# KiCad board WiRoc_NanoPi.kicad_pcb (continued)
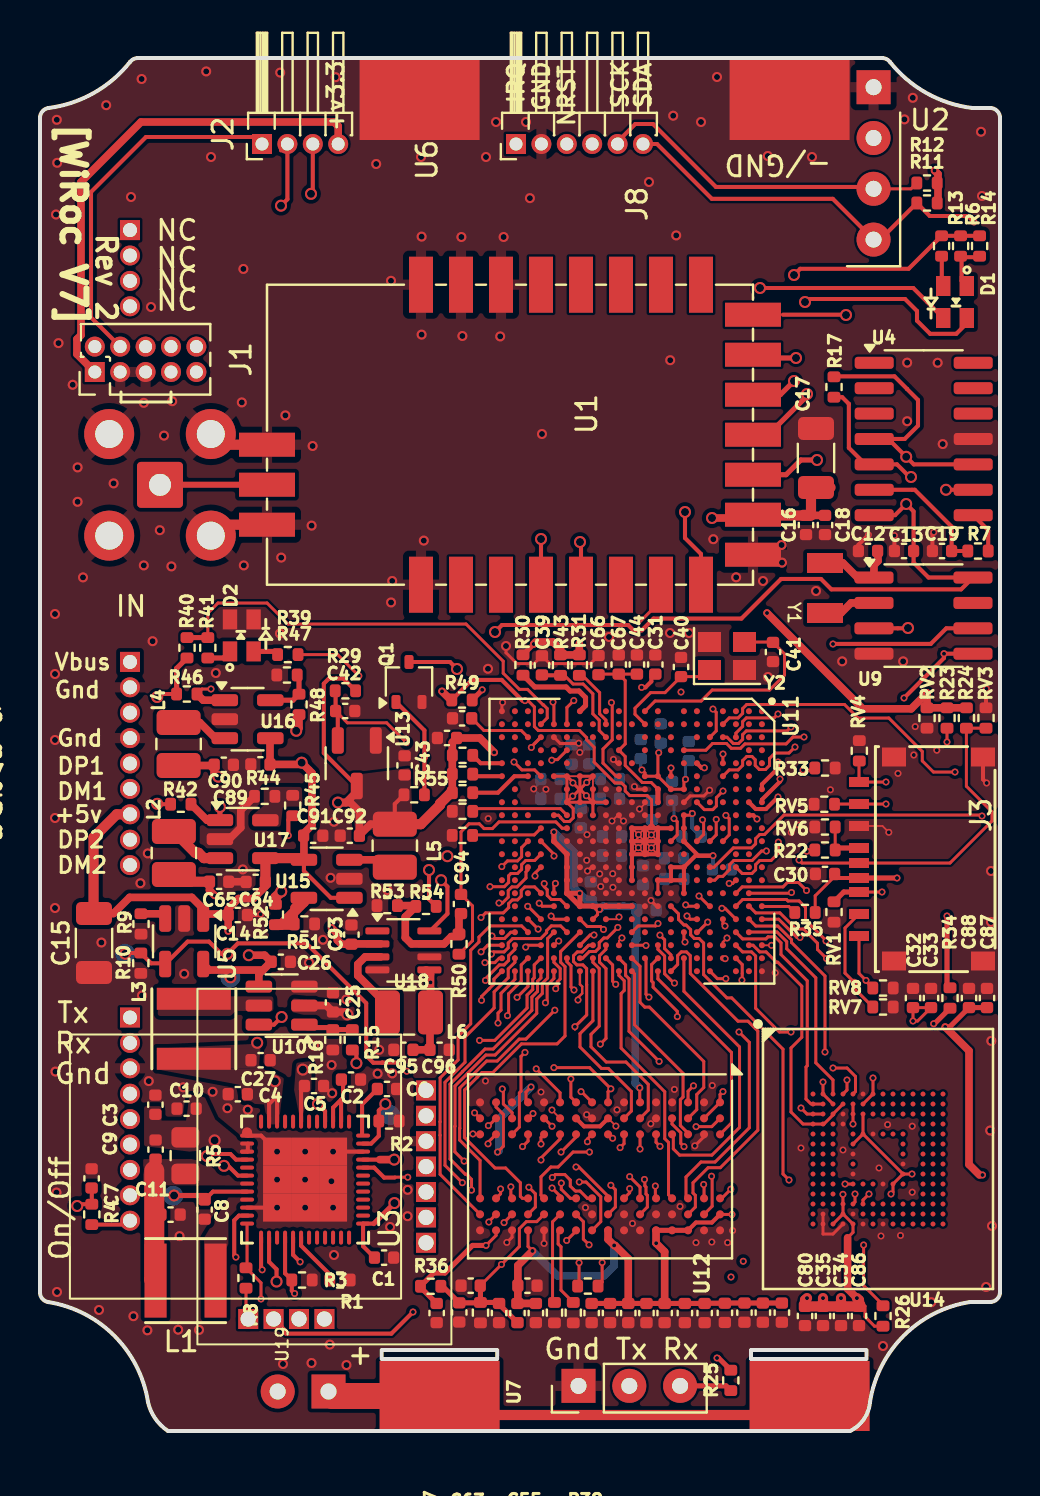
[diagram p0: board, top side]
## Footprints (pads in the part's own frame, mm; a bottom-side part is the same pattern mirrored in y, then rotated) (continued)
C_0402_1005Metric
  rrect 0.56x0.62 smd: 1(-0.48,0) 2(0.48,0)
C_1206_3216Metric
  rrect 1.15x1.8 smd: 1(-1.475,0) 2(1.475,0)
CONN_OLED_TWI-Socket_Strip_Straight_1x04_Pitch2.54mm
  rect 1.7x1.7 hole 0.8: 1(0,0)
  oval 1.7x1.7 hole 0.8: 2(0,-2.54) 3(0,-5.08) 4(0,-7.62)
Crystal_SMD_2520-4Pin_2.5x2.0mm
  rect 1.15x1 smd: 1(-0.875,-0.7) 2(0.875,-0.7) 3(0.875,0.7) 4(-0.875,0.7)
DRF1268DS
  rect 2.8x1.2 smd: 1(-7.5,4.45) 2(-7.5,2.45) 3(-7.5,0.45) 4(-7.5,-1.55) 5(-7.5,-3.55) 6(-7.5,-5.55) 7(-7.5,-7.55) 8(-7.5,-9.55) 16(7.5,-9.55) 17(7.5,-7.55) 18(7.5,-5.55) 19(7.5,-3.55) 20(7.5,-1.55) 21(7.5,0.45) 22(7.5,2.45) 23(7.5,4.45)
  rect 1.2x2.8 smd: 9(-6,-12.15) 10(-4,-12.15) 11(-2,-12.15) 12(0,-12.15) 13(2,-12.15) 14(4,-12.15) 15(6,-12.15) 24(-0.5,12.15) 25(-2.5,12.15) 26(-4.5,12.15)
ESP32Hosted-C6-Board
  rect 1x1 hole 0.762: 1(-7.62,-0.635) 2(-7.62,-1.905) 3(-7.62,-3.175) 4(-7.62,-4.445) 5(-3.81,-9.525) 6(-2.54,-9.525) 7(-1.27,-9.525) 8(0,-9.525) 9(1.27,-9.525) 10(2.54,-9.525) 11(3.81,-9.525)
Inductor_SLW4018
  rect 1.1x3.7 smd: 1(-1.5,0) 2(1.5,0)
L_1008_2520Metric
  rrect 1.25x2.2 smd: 1(-1.075,0) 2(1.075,0)
LED_Dual_1.7_1.6
  rect 1x0.72 smd: 1(0.8,-0.59) 2(-0.8,-0.59) 3(-0.8,0.59) 4(0.8,0.59)
MICRON_EMMC_153
  round 0.245 smd: A1(-3.25,3.25) A2(-2.75,3.25) A3(-2.25,3.25) A4(-1.75,3.25) A5(-1.25,3.25) A6(-0.75,3.25) A7(-0.25,3.25) A8(0.25,3.25) A9(0.75,3.25) A10(1.25,3.25) A11(1.75,3.25) A12(2.25,3.25) A13(2.75,3.25) A14(3.25,3.25) B1(-3.25,2.75) B2(-2.75,2.75) B3(-2.25,2.75) B4(-1.75,2.75) B5(-1.25,2.75) B6(-0.75,2.75) B7(-0.25,2.75) B8(0.25,2.75) B9(0.75,2.75) B10(1.25,2.75) B11(1.75,2.75) B12(2.25,2.75) B13(2.75,2.75) B14(3.25,2.75) C1(-3.25,2.25) C2(-2.75,2.25) C3(-2.25,2.25) C4(-1.75,2.25) C5(-1.25,2.25) C6(-0.75,2.25) C7(-0.25,2.25) C8(0.25,2.25) C9(0.75,2.25) C10(1.25,2.25) C11(1.75,2.25) C12(2.25,2.25) C13(2.75,2.25) C14(3.25,2.25) D1(-3.25,1.75) D2(-2.75,1.75) D3(-2.25,1.75) D4(-1.75,1.75) D12(2.25,1.75) D13(2.75,1.75) D14(3.25,1.75) E1(-3.25,1.25) E2(-2.75,1.25) E3(-2.25,1.25) E5(-1.25,1.25) E6(-0.75,1.25) E7(-0.25,1.25) E8(0.25,1.25) E9(0.75,1.25) E10(1.25,1.25) E12(2.25,1.25) E13(2.75,1.25) E14(3.25,1.25) F1(-3.25,0.75) F2(-2.75,0.75) F3(-2.25,0.75) F5(-1.25,0.75) F10(1.25,0.75) F12(2.25,0.75) F13(2.75,0.75) F14(3.25,0.75) G1(-3.25,0.25) G2(-2.75,0.25) G3(-2.25,0.25) G5(-1.25,0.25) G10(1.25,0.25) G12(2.25,0.25) G13(2.75,0.25) G14(3.25,0.25) H1(-3.25,-0.25) H2(-2.75,-0.25) H3(-2.25,-0.25) H5(-1.25,-0.25) H10(1.25,-0.25) H12(2.25,-0.25) H13(2.75,-0.25) H14(3.25,-0.25) J1(-3.25,-0.75) J2(-2.75,-0.75) J3(-2.25,-0.75) J5(-1.25,-0.75) J10(1.25,-0.75) J12(2.25,-0.75) J13(2.75,-0.75) J14(3.25,-0.75) K1(-3.25,-1.25) K2(-2.75,-1.25) K3(-2.25,-1.25) K5(-1.25,-1.25) K6(-0.75,-1.25) K7(-0.25,-1.25) K8(0.25,-1.25) K9(0.75,-1.25) K10(1.25,-1.25) K12(2.25,-1.25) K13(2.75,-1.25) K14(3.25,-1.25) L1(-3.25,-1.75) L2(-2.75,-1.75) L3(-2.25,-1.75) L12(2.25,-1.75) L13(2.75,-1.75) L14(3.25,-1.75) M1(-3.25,-2.25) M2(-2.75,-2.25) M3(-2.25,-2.25) M4(-1.75,-2.25) M5(-1.25,-2.25) M6(-0.75,-2.25) M7(-0.25,-2.25) M8(0.25,-2.25) M9(0.75,-2.25) M10(1.25,-2.25) M11(1.75,-2.25) M12(2.25,-2.25) M13(2.75,-2.25) M14(3.25,-2.25) N1(-3.25,-2.75) N2(-2.75,-2.75) N3(-2.25,-2.75) N4(-1.75,-2.75) N5(-1.25,-2.75) N6(-0.75,-2.75) N7(-0.25,-2.75) N8(0.25,-2.75) N9(0.75,-2.75) N10(1.25,-2.75) N11(1.75,-2.75) N12(2.25,-2.75) N13(2.75,-2.75) N14(3.25,-2.75) P1(-3.25,-3.25) P2(-2.75,-3.25) P3(-2.25,-3.25) P4(-1.75,-3.25) P5(-1.25,-3.25) P6(-0.75,-3.25) P7(-0.25,-3.25) P8(0.25,-3.25) P9(0.75,-3.25) P10(1.25,-3.25) P11(1.75,-3.25) P12(2.25,-3.25) P13(2.75,-3.25) P14(3.25,-3.25)
Pin_Header_Straight_1x02_Pitch2.54mm
  rect 1.7x1.7 hole 0.8: 1(0,0)
  oval 1.7x1.7 hole 0.8: 2(0,-2.54)
Pin_Header_Straight_1x03_Pitch2.54mm
  rect 1.7x1.7 hole 0.8: 1(0,0)
  oval 1.7x1.7 hole 0.8: 2(0,-2.54) 3(0,-5.08)
PinHeader_1x04_P1.27mm_Horizontal
  rect 1x1 hole 0.65: 1(0,0)
  oval 1x1 hole 0.65: 2(0,-1.27) 3(0,-2.54) 4(0,-3.81)
PinHeader_1x06_P1.27mm_Horizontal
  rect 1x1 hole 0.65: 1(0,0)
  oval 1x1 hole 0.65: 2(0,-1.27) 3(0,-2.54) 4(0,-3.81) 5(0,-5.08) 6(0,-6.35)
PinHeader_2x05_P1.27mm_Vertical
  rect 1x1 hole 0.65: 1(0,0)
  oval 1x1 hole 0.65: 2(1.27,0) 3(0,-1.27) 4(1.27,-1.27) 5(0,-2.54) 6(1.27,-2.54) 7(0,-3.81) 8(1.27,-3.81) 9(0,-5.08) 10(1.27,-5.08)
PinSocket_1x04_P1.27mm_Vertical
  rect 1x1 hole 0.7: 1(0,0)
  oval 1x1 hole 0.7: 2(0,-1.27) 3(0,-2.54) 4(0,-3.81)
PinSocket_1x09_P1.27mm_Vertical
  rect 1x1 hole 0.7: 1(0,0)
  oval 1x1 hole 0.7: 2(0,-1.27) 3(0,-2.54) 4(0,-3.81) 5(0,-5.08) 6(0,-6.35) 7(0,-7.62) 8(0,-8.89) 9(0,-10.16)
qfn48_6x6mm_Pitch0.4mm
  oval 0.7x0.2 smd: 1(-2.9,2.2) 2(-2.9,1.8) 3(-2.9,1.4) 4(-2.9,1) 5(-2.9,0.6) 6(-2.9,0.2) 7(-2.9,-0.2) 8(-2.9,-0.6) 9(-2.9,-1) 10(-2.9,-1.4) 11(-2.9,-1.8) 12(-2.9,-2.2) 25(2.9,-2.2) 26(2.9,-1.8) 27(2.9,-1.4) 28(2.9,-1) 29(2.9,-0.6) 30(2.9,-0.2) 31(2.9,0.2) 32(2.9,0.6) 33(2.9,1) 34(2.9,1.4) 35(2.9,1.8) 36(2.9,2.2)
  oval 0.2x0.7 smd: 13(-2.2,-2.9) 14(-1.8,-2.9) 15(-1.4,-2.9) 16(-1,-2.9) 17(-0.6,-2.9) 18(-0.2,-2.9) 19(0.2,-2.9) 20(0.6,-2.9) 21(1,-2.9) 22(1.4,-2.9) 23(1.8,-2.9) 24(2.2,-2.9) 37(2.2,2.9) 38(1.8,2.9) 39(1.4,2.9) 40(1,2.9) 41(0.6,2.9) 42(0.2,2.9) 43(-0.2,2.9) 44(-0.6,2.9) 45(-1,2.9) 46(-1.4,2.9) 47(-1.8,2.9) 48(-2.2,2.9)
  rect 1.4x1.4 smd: 49(-1.4,1.4) 49(-1.4,0) 49(-1.4,-1.4) 49(0,1.4) 49(0,0) 49(0,-1.4) 49(1.4,1.4) 49(1.4,0) 49(1.4,-1.4)
R_0402_1005Metric
  rrect 0.54x0.64 smd: 1(-0.51,0) 2(0.51,0)
R_0805_2012Metric
  rrect 1.025x1.4 smd: 1(-0.912,0) 2(0.912,0)
SMA_Amphenol_901-143_Horizontal
  rrect 2.3x2.3 hole 1.1: 1(0,0)
  round 2.5 hole 1.4: 2(-2.54,-2.54) 2(-2.54,2.54) 2(2.54,-2.54) 2(2.54,2.54)
SMD3215-2P
  rect 1x1.8 smd: 1(-1.25,0) 2(1.25,0)
SOIC-8_3.9x4.9mm_P1.27mm
  rrect 1.95x0.6 smd: 1(-2.475,1.905) 2(-2.475,0.635) 3(-2.475,-0.635) 4(-2.475,-1.905) 5(2.475,-1.905) 6(2.475,-0.635) 7(2.475,0.635) 8(2.475,1.905)
SOIC-14_3.9x8.7mm_P1.27mm
  rrect 1.95x0.6 smd: 1(-2.475,3.81) 2(-2.475,2.54) 3(-2.475,1.27) 4(-2.475,0) 5(-2.475,-1.27) 6(-2.475,-2.54) 7(-2.475,-3.81) 8(2.475,-3.81) 9(2.475,-2.54) 10(2.475,-1.27) 11(2.475,0) 12(2.475,1.27) 13(2.475,2.54) 14(2.475,3.81)
SOT-23-3
  rrect 1.325x0.6 smd: 1(-1.137,0.95) 2(-1.137,-0.95) 3(1.137,0)
SOT-23-5
  rrect 1.325x0.6 smd: 1(-1.137,0.95) 2(-1.137,0) 3(-1.137,-0.95) 4(1.137,-0.95) 5(1.137,0.95)
SOT-323_SC-70
  rrect 0.7x0.45 smd: 1(-1,0.65) 2(-1,-0.65) 3(1,0)
TestPoint_Pad_D1.0mm
  round 1 smd: 1(0,0)
TF-SMD_TF-018B-H15
  rect 0.5x1 smd: 1(3.85,-3.1) 2(2.75,-3.1) 3(1.65,-3.1) 4(0.95,-3.1) 5(-0.55,-3.1) 6(-1.65,-3.1) 7(-2.75,-3.1) 8(-3.85,-3.1) 9(0.2,-3.1)
  rect 0.95x1.2 smd: 10(-5.1,3.1) 10(-5.1,-1.35) 10(5.1,3.1) 10(5.1,-1.35)
TSOT-23-5
  rrect 1.325x0.6 smd: 1(-1.137,0.95) 2(-1.137,0) 3(-1.137,-0.95) 4(1.137,-0.95) 5(1.137,0.95)
TSOT-23-6
  rrect 1.325x0.6 smd: 1(-1.137,0.95) 2(-1.137,0) 3(-1.137,-0.95) 4(1.137,-0.95) 5(1.137,0) 6(1.137,0.95)
TSOT-23-8-Thinner-Pads
  rrect 1.2x0.35 smd: 1(-1.3,0.975) 2(-1.3,0.325) 3(-1.3,-0.325) 4(-1.3,-0.975) 5(1.3,-0.975) 6(1.3,-0.325) 7(1.3,0.325) 8(1.3,0.975)

## Nets
GND: C1.2 C2.2 C3.2 C4.2 C5.2 C6.2 C7.1 C8.1 C10.1 C11.1 C12.2 C13.2 C14.2 C15.1 C16.2 C17.1 C18.2 C19.2 C25.2 C26.2 C27.2 C28.2 C29.2 C30.1 C31.2 C32.2 C33.2 C34.2 C35.2 C36.1 C37.2 C38.2 C39.1 C40.1 C41.1 C42.2 C43.2 C44.2 C45.2 C46.2 C47.2 C48.2 C49.2 C50.2 C51.2 C52.2 C53.2 C54.2 C55.2 C56.2 C57.2 C58.2 C59.2 C60.2 C61.2 C63.2 C64.2 C65.2 C66.2 C67.2 C68.2 C69.2 C70.2 C71.2 C72.2 C73.2 C74.2 C75.2 C76.2 C77.2 C78.2 C79.2 C80.2 C81.2 C82.2 C83.2 C84.2 C85.2 C86.2 C87.2 C88.2 C89.2 C90.2 C91.2 C92.2 C93.2 C95.2 C96.2 D2.2 D2.3 J1.3 J1.5 J3.6 J3.10 J4.3 J4.8 J6.1 J8.2 J9.2 J10.2 J10.4 Q1.2 R1.1 R2.1 R3.1 R9.1 R10.1 R16.2 R18.2 R19.2 R20.1 R21.1 R33.2 R37.2 R44.2 R47.2 R51.2 R53.1 RV1.2 RV2.2 RV3.2 RV4.2 RV5.2 RV6.2 RV7.2 RV8.2 U1.1 U1.9 U1.21 U1.22 U1.23 U1.24 U1.26 U2.1 U3.22 U3.37 U3.46 U3.49 U4.11 U5.2 U6.1 U9.4 U10.3 U11.A21 U11.AA1 U11.G8 U11.H8 U11.H12 U11.H15 U11.J9 U11.J13 U11.J16 U11.K7 U11.K8 U11.K9 U11.K13 U11.K14 U11.K15 U11.K16 U11.L8 U11.L9 U11.L15 U11.M5 U11.M7 U11.M8 U11.M9 U11.M10 U11.M11 U11.M12 U11.M13 U11.M14 U11.M15 U11.N7 U11.N9 U11.N10 U11.N11 U11.N12 U11.N13 U11.N14 U11.N15 U11.P10 U11.P11 U11.P12 U11.P13 U11.P14 U11.P15 U11.R9 U11.R10 U11.R11 U11.R12 U11.R13 U11.R14 U11.T11 U11.U3 U12.A9 U12.B1 U12.B3 U12.B9 U12.D1 U12.D8 U12.E1 U12.E2 U12.E8 U12.F9 U12.G1 U12.G8 U12.G9 U12.J2 U12.J8 U12.M1 U12.M9 U12.P1 U12.P9 U12.T1 U12.T9 U13.1 U14.A6 U14.C4 U14.D4 U14.E7 U14.G5 U14.H10 U14.J5 U14.K8 U14.N2 U14.N5 U14.P2 U14.P4 U14.P6 U14.P8 U15.2 U16.2 U17.2 U18.4 U18.6 U19.9 Y2.2 Y2.4
VBUS: C5.1 J10.1 U3.31
VCC-DRAM: C46.1 C47.1 C48.1 C49.1 C50.1 C51.1 C52.1 C53.1 C54.1 C55.1 C56.1 C57.1 C58.1 C59.1 C60.1 C61.1 C62.1 C65.1 L2.2 R36.1 R45.2 U11.L16 U11.M16 U11.N16 U11.P16 U11.P17 U11.R16 U11.T12 U11.T13 U11.T14 U11.T15 U11.U11 U12.A1 U12.A8 U12.B2 U12.C1 U12.C9 U12.D2 U12.D9 U12.E9 U12.F1 U12.G7 U12.H2 U12.H9 U12.K2 U12.K8 U12.N1 U12.N9 U12.R1 U12.R9
VDD1V1-EPHY: R49.2 U11.F8
VDD1V2-SYS: C79.1 C81.1 C82.1 C83.1 C84.1 C85.1 C90.1 L4.2 R48.2 R49.1 U11.H10 U11.J10 U11.J11 U11.J12 U11.K10 U11.K11 U11.K12 U11.L10 U11.L11 U11.L12 U11.L13 U11.L14
VDD-CPUFB: C94.1 R50.2 U11.T10
VDD-CPUS: C44.1 C66.1 C67.1 U11.J7 U11.J8 U11.M4
VDD-CPUX: C72.1 C73.1 C74.1 C75.1 C76.1 C77.1 C78.1 C95.1 C96.1 L6.2 U11.N8 U11.P6 U11.P7 U11.P8 U11.P9 U11.R6 U11.R7 U11.R8 U11.T6 U11.T7 U11.T8 U11.U6 U11.U9 U18.5
VDD_5V: C14.1 C15.2 C16.1 C17.2 C18.1 C64.1 C89.1 C91.1 C93.1 J10.7 U1.10 U5.1 U15.4 U16.4 U17.1 U17.4 U18.2
VDD_SYS_3.3V: C30.2 C31.1 C34.1 C35.1 C37.1 C43.1 C45.1 C68.1 C69.1 C70.1 C71.1 C80.1 C86.1 C87.1 C88.1 C92.1 J1.1 J2.4 J3.4 J4.7 L5.2 R8.1 R11.2 R12.2 R23.2 R24.2 R26.1 R27.1 R28.1 R29.1 R30.2 R31.2 R32.2 R35.2 R40.1 R42.1 R43.2 R46.1 R52.2 R55.2 RV2.1 U2.2 U11.G7 U11.G9 U11.G10 U11.G11 U11.G13 U11.G14 U11.G15 U11.H7 U11.H13 U11.H14 U11.J6 U11.J14 U11.J15 U11.K6 U11.V3 U13.3 U14.C6 U14.E6 U14.F5 U14.J10 U14.K9 U14.M4 U14.N4 U14.P3 U14.P5 U19.1
VINT: C2.1 U3.26 U3.27
 GPIOA10/STATUS-LED: R39.2 U11.E11
/Processor-MEM/SA0: U11.T17 U12.N3
/Processor-MEM/SA1: U11.U18 U12.P7
/Processor-MEM/SA2: U11.V19 U12.P3
/Processor-MEM/SA3: U11.V20 U12.N2
/Processor-MEM/SA4: U11.V21 U12.P8
/Processor-MEM/SA5: U11.Y19 U12.P2
/Processor-MEM/SA6: U11.Y20 U12.R8
/Processor-MEM/SA7: U11.V15 U12.R2
/Processor-MEM/SA8: U11.W18 U12.T8
/Processor-MEM/SA9: U11.Y18 U12.R3
/Processor-MEM/SA10: U11.P19 U12.L7
/Processor-MEM/SA11: U11.N19 U12.R7
/Processor-MEM/SA12: U11.R18 U12.N7
/Processor-MEM/SA13: U11.V12 U12.T3
/Processor-MEM/SA14: U11.N17 U12.T7
/Processor-MEM/SA15: U11.R17 U12.M7
/Processor-MEM/SBA0: U11.W17 U12.M2
/Processor-MEM/SBA1: U11.T18 U12.N8
/Processor-MEM/SBA2: U11.V17 U12.M3
/Processor-MEM/SCAS: U11.U15 U12.K3
/Processor-MEM/SCKE0: U11.AA21 U12.K9
/Processor-MEM/SCS0: U11.W20 U12.L2
/Processor-MEM/SODT0: U11.W11 U12.K1
/Processor-MEM/SRAS: U11.V13 U12.J3
/Processor-MEM/SWE: U11.W13 U12.L3
/Processor-MEM/ZQ: R20.2 U12.L8
/Processor-MEM/ZQ1: R21.2 U12.L9
AP-RESET: C42.1 R29.2 U11.V6 U13.2
BAT: C3.1 C9.1 C10.2 R5.2 SW1.2 U3.38 U3.39 U3.42
eMMC-CLK: R34.2 U14.M6
eMMC-CMD: R26.2 U11.E16 U14.M5
eMMC-D0: U11.B18 U14.A3
eMMC-D1: U11.C17 U14.A4
eMMC-D2: U11.D17 U14.A5
eMMC-D3: U11.C18 U14.B1 U14.B2
eMMC-D4: U11.B17 U14.A2 U14.B3
eMMC-D5: U11.B19 U14.B4 U14.C3 U14.D1 U14.D2
eMMC-D6: U11.F17 U14.B5 U14.C5
eMMC-D7: U11.C19 U14.A7 U14.B6
eMMC-RST: U11.H16 U14.K5
EXTEN: R10.2 TP4.1 U3.20 U5.4 U10.6
GPIOL6/CPUX-VSET: Q1.1 R55.1 U11.T4
GPIOL8/PWR-STB: R46.2 U11.T2 U16.1 U18.8
GPIOL9/PWR-DRAM: R42.2 U11.M6 U15.1
GPIOL10/PWR-LED: R40.2 R41.2 U11.V2
IPSOUT: C1.1 C4.1 C8.2 C25.1 C27.1 L3.1 TP6.1 U3.13 U3.21 U3.34 U3.35 U3.40 U3.44 U10.2
IRQ: R8.2 U3.48 U11.E13
LDO1: C13.1 R17.2 U3.28 U4.4 U4.7 U4.10 U9.8
LORAAUX: U1.14 U11.C3
LORAEN: U1.11 U11.D6
LORAMO: U1.15 U11.C14
LORARS: U1.7 U11.U2
N_OE: R3.2 U3.4 U4.9
PWRON: C7.2 R4.2 U3.5 U3.47
SCK: J8.5 R12.1 U2.3 U3.2 U9.6 U11.F11
SCKE1: U11.Y21 U12.J9
SCKN: R38.2 U11.AA20 U12.K7
SCKP: R38.1 U11.AA19 U12.J7
SCS1: U11.W21 U12.L1
SDA: J8.6 R11.1 U2.4 U3.1 U9.5 U11.C13
SDC0-CLK: R22.1 U11.D20
SDC0-CMD: J3.3 R23.1 RV1.1 U11.F18
SDC0-D0: J3.7 RV5.1 U11.A19
SDC0-D1: J3.8 RV4.1 U11.D19
SDC0-D2: J3.1 RV8.1 U11.C20
SDC0-D3: J3.2 RV7.1 U11.E21
SDC0-DET: J3.9 R24.1 RV3.1 U11.G18
SDQ0: U11.N20 U12.E3
SDQ1: U11.P21 U12.G2
SDQ2: U11.P20 U12.F2
SDQ3: U11.U21 U12.H7
SDQ4: U11.R19 U12.F8
SDQ5: U11.T20 U12.F7
SDQ6: U11.U19 U12.H8
SDQ7: U11.U20 U12.H3
SDQ8: U11.J19 U12.A7
SDQ9: U11.H20 U12.B8
SDQ10: U11.H21 U12.C8
SDQ11: U11.J21 U12.A3
SDQ12: U11.L20 U12.C2
SDQ13: U11.L21 U12.C3
SDQ14: U11.M21 U12.D7
SDQ15: U11.M19 U12.A2
SDQM0: U11.M20 U12.E7
SDQM1: U11.G20 U12.D3
SDQS0N: U11.R21 U12.G3
SDQS0P: U11.R20 U12.F3
SDQS1N: U11.J20 U12.B7
SDQS1P: U11.K20 U12.C7
SODT1: U11.V11 U12.J1
SRR_IRQ: J8.1 U11.E14
SRR_NRST: J1.10 J8.3 U11.E3
SRST: U11.U16 U12.T2
SVREF: C28.1 C29.1 C62.2 C63.1 R36.2 R37.1 U11.T16 U12.H1 U12.M8
ToPWRBTN: J4.9 R4.1
UART0_RX: J6.3 R25.1
UART0_TX: J6.2 U11.F5
UART1_RX: U1.13 U11.D3
UART1_TX: U1.12 U11.G4
UART2_RX: J4.2 U11.D5
UART2_TX: J4.1 U11.D11
USBHost-DM1: J10.6 U11.A8
USBHost-DM2: J10.9 U11.B9
USBHost-DP1: J10.5 U11.A7
USBHost-DP2: J10.8 U11.B8
WIFI-DataReady: U11.L18 U19.3
WIFI-EN: U11.D2 U19.2
WIFI-HandShake: U11.L19 U19.4
WIFI-SPI-CS0: U11.B15 U19.8
WIFI-SPI-MISO: U11.C16 U19.6
WIFI-SPI-MOSI: U11.C15 U19.7
WIFI-SPI-SCLK: U11.B16 U19.5
X24MI: C40.2 U11.K2 Y2.1
X24MO: C41.2 U11.K1 Y2.3
Net-(D1-A1): D1.1 R6.1 R14.1
Net-(D1-A2): D1.4 R13.1
Net-(D1-K1): D1.2 U1.4
Net-(D1-K2): D1.3 U1.5
Net-(D2-A1): D2.1 R41.1
Net-(D2-A2): D2.4 R39.1
Net-(J1-Pin_2): J1.2 J8.4
Net-(J1-Pin_4): J1.4 J2.1
Net-(J1-Pin_7): J1.7 J2.2
Net-(J1-Pin_9): J1.9 J2.3
Net-(J3-CLK): J3.5 R22.2 RV6.1
Net-(J9-In): J9.1 U1.25
Net-(Q1-D): Q1.3 R54.1
Net-(SW1-A): SW1.1 U7.1
Net-(U1-VCC): R6.2 R13.2 R14.2 U1.8
Net-(U3-BIAS): R2.2 TP3.1 U3.23
Net-(U3-CHSENCE): C9.2 C11.2 L1.2 R5.1 U3.43
Net-(U3-LX1): L1.1 U3.45
Net-(U3-N_VBUSEN): R1.2 U3.6
Net-(U3-VREF): C6.1 U3.24
Net-(U4A-C): R17.1 U4.5 U9.3
Net-(U4A-~{Q}): R7.1 U4.8
Net-(U4A-~{R}): C19.1 R7.2 U4.6
Net-(U5-ISET): R9.2 U5.3
Net-(U9-OSCI): C12.1 U9.1 Y1.1
Net-(U9-OSCO): U9.2 Y1.2
Net-(U10-FB): R15.2 R16.1 U10.1
Net-(U10-LX): L3.2 U10.5
Net-(U10-OUT): C26.1 R15.1 TP5.1 U5.5 U10.4
Net-(U11A-SZQ): R18.1 U11.V10
Net-(U11B-PC4/NAND_CE0): R33.1 U11.F16
Net-(U11B-PC5/NAND_RE/SDC2_CLK): R34.1 U11.A17
Net-(U11B-PC7/NAND_RB1): R35.1 U11.A16
Net-(U11D-PA5/UART0_RX/PWM0/PA_EINT5): R25.2 U11.H6
Net-(U11E-PL3/S_UART_RX/S_PL_EINT3): R30.1 U11.R1
Net-(U11E-PL4/S_JTAG_MS/S_PL_EINT4): R31.1 U11.N2
Net-(U11F-MBIAS): C36.2 U11.W3
Net-(U11G-KEYADC): R28.2 U11.AA5
Net-(U11G-NMI): R27.2 U11.AA6
Net-(U11G-UBOOT): R32.1 U11.W6
Net-(U11G-VCC_PLL): C39.2 R43.1 U11.N3
Net-(U11G-VDD_EFUSEBP): C38.1 U11.H11
Net-(U11H-GND_CPUXFB): R19.1 U11.T9
Net-(U14-NC19): C32.1 C33.1 U14.C1 U14.C2
Net-(U15-FB): R44.1 R45.1 U15.5
Net-(U15-LX): L2.1 U15.3
Net-(U16-FB): R47.1 R48.1 U16.5
Net-(U16-LX): L4.1 U16.3
Net-(U17-FB): R51.1 R52.1 U17.5
Net-(U17-LX): L5.1 U17.3
Net-(U18-FB): C94.2 R50.1 R53.2 R54.2 U18.7
Net-(U18-SW): L6.1 U18.3

Pads without a net: J1 6 8; J4 4 5 6; J5 1 2 3 4; J10 3; U1 2 3 6 16 17 18 19 20; U3 3 7 8 9 10 11 12 14 15 16 17 18 19 25 29 30 32 33 36 41; U4 1 2 3 12 13 14; U9 7; U11 A1 A2 A3 A4 A5 A10 A11 A13 A14 A20 AA2 AA3 AA8 AA9 AA11 AA12 AA14 AA15 AA17 AA18 B1 B2 B3 B4 B5 B6 B7 B10 B11 B12 B13 B14 B20 B21 C1 C2 C5 C6 C7 C8 C9 C10 C11 C12 C21 D1 D8 D10 D13 D15 E2 E8 E10 E15 E18 E19 E20 F1 F2 F3 F6 F7 F10 F13 F14 F19 F20 F21 G1 G2 G5 G12 H2 H3 H4 H17 H18 H19 J1 J2 J3 K3 K4 K17 K18 L2 L5 L17 M1 M2 M3 N1 P2 P3 R2 T3 T5 U4 V1 V4 V5 W1 W2 W5 W9 W12 W15 Y1 Y2 Y3 Y4 Y7 Y8 Y9 Y10 Y11 Y12 Y13 Y14 Y15 Y16 Y17; U14 A1 A8 A9 A10 A11 A12 A13 A14 B7 B8 B9 B10 B11 B12 B13 B14 C7 C8 C9 C10 C11 C12 C13 C14 D3 D12 D13 D14 E1 E2 E3 E5 E8 E9 E10 E12 E13 E14 F1 F2 F3 F10 F12 F13 F14 G1 G2 G3 G10 G12 G13 G14 H1 H2 H3 H5 H12 H13 H14 J1 J2 J3 J12 J13 J14 K1 K2 K3 K6 K7 K10 K12 K13 K14 L1 L2 L3 L12 L13 L14 M1 M2 M3 M7 M8 M9 M10 M11 M12 M13 M14 N1 N3 N6 N7 N8 N9 N10 N11 N12 N13 N14 P1 P7 P9 P10 P11 P12 P13 P14; U18 1; U19 10 11

## Via types
v1: diameter 0.4, hole 0.3, Top to Bottom, 9 vias
v2: diameter 0.35, hole 0.2, Top to Bottom, 300 vias
v3: diameter 0.5, hole 0.3, Top to Bottom, 133 vias
v4: diameter 0.6, hole 0.4, Top to Bottom, 52 vias

## Routing (per net, layer and track width the routed paths; a pad name or vN(x,y) marks a point on that pad's centre or on a via; arc(x,y) is an arc through that point)
GND: length 43.2
  Top w0.09: U12.G8 29.2,10.8 ; J3.6 42.12,30.25 v2(42.44,29.93) ; U12.J8 27.66,10.83 ; v2(29.97,31.1) 30.25,31.37 U11.K8 ; U12.D8 31.61,10.83 ; v2(29.17,30.5) 28.95,30.73 U11.M9 28.89,30.79 v2(28.6,30.5)
  Top w0.15: v2(23.13,36.43) 23.1,36.4 U11.AA1 ; v2(25.2,9.38) U12.M9 ; v2(29.72,32.22) 29.85,32.09 U11.K7 ; U11.J16 30.84,26.24 v2(30.55,26.53) ; 34.89,37.72 Y2.2 ; v2(23.34,9.43) 23.6,9.69 U12.P9 ; U11.P13 27.56,28.19 v2(27.38,28) ; U11.G8 32.51,31.75 33.19,31.75 v2(33.48,32.04) ; U14.N2 U14.P2 39.15,9.85 39.65,9.85 U14.P4 ; U12.B3 33.2,14.72 v2(32.74,14.26) ; U11.U3 26.01,34.37 26.92,34.37 v2(26.94,34.39) ; v2(28.67,33.58) 28.86,33.39 U11.M5 ; C66.2 27.52,38.37 25.49,38.37 C39.1 24.7,38.37 23.84,38.37 23.3,38.91 v3(23.3,39.25)
  Top w0.203: U3.22 v1(14.65,13.97) ; U3.46 v1(11.85,11.17) ; v1(11.85,13.97) 11.05,14.77 10.39,14.77 ; J3.10 47.15,32.58 v2(47.33,32.4) ; C12.2 40.92,44.31 v2(41.42,44.81) ; v2(47.32,37.11) 47.3,37.09 RV3.2 ; v2(44.69,44.94) 44.62,44.87 C19.2 ; C14.2 10.99,25.8 v2(11.03,25.84) ; C13.2 v2(42.72,44.77)
  Top w0.381: R44.2 10.04,31.05 10.04,30.17 9.46,29.59 U15.2 ; C64.2 10.3,27.46 9.44,27.46
  Top w0.508: 11.78,49.31 9.07,49.31 J9.2 ; J9.2 9.09,45.31 U1.26 ; 10.35,14.93 10.35,14.92
  Bottom w0.09: v2(26.99,33.93) 27.08,33.93 C73.2 27.02,34.31 v2(26.94,34.39) 26.85,34.3 C74.2 ; v2(25.3,32.08) 25.05,31.83 C76.2 25.05,31.74 v2(24.69,32.1) 25.05,32.46 C77.2
  vias: v1(11.85,12.57) v1(13.26,13.97) v1(13.25,12.57) v1(13.26,11.17) v1(14.57,12.49) v1(14.65,11.17) v2(22.27,17.5) v2(22.41,30.62) v2(25.05,16.95) v2(27.35,29.82) v2(27.34,28.53) v2(27.33,15.82) v2(27.27,11.17) v2(27.99,27.85) v2(28.04,27.22) v2(28.64,27.86) v2(28.65,27.18) v2(28.85,16.06) v2(29.62,10.38) v2(30.54,15.36) v2(31.72,17.08) v2(32,11.23) v2(32.8,9.42) v2(33.61,17.27) v2(33.59,9.45) v2(34.38,9.42) v2(34.63,10.02) v2(36.76,22.91) v2(37.56,29.93) v2(37.95,30.29) v2(38.05,14.15) v2(39.52,32.06) v2(40.15,14.05) v2(41.95,13.15) v2(42.05,9.75) v2(42.38,15.32) v2(42.9,32.88) v2(43.03,9.78) v2(43.61,15.24) v2(43.61,11.94) v2(43.69,33.8) v2(43.76,35.22) v2(44.84,34.04) v3(0.75,40.85) v3(0.75,37.85) v3(0.75,34.55) v3(0.75,30.65) v3(0.75,26.15) v3(0.84,65.56) v3(0.8,60.83) v3(0.77,17.97) v3(0.82,11.93) v3(0.86,63.41) v3(0.92,54.39) v3(0.85,6.95) v3(1.64,52.31) v3(1.88,48.18) v3(1.88,46.46) v3(2.15,42.68) v3(2.95,6.05) v3(3.07,24.42) v3(3.31,66.29) v3(3.68,47.38) v3(4.55,61.7) v3(4.67,5.74) v3(5.02,27.39) v3(5.08,67.6) v3(5.1,21.78) v3(5.19,51.41) v3(5.19,43.28) v3(5.39,28.88) v3(5.44,17.49) v3(5.37,5.03) v3(5.55,56.2) v3(5.63,39.49) v3(5.99,45.04) v3(6.2,49.77) v3(6.61,51.49) v3(6.57,43.23) v3(6.91,5.06) v3(6.98,9.74) v3(7.21,22.86) v3(7.17,17.19) v3(7.95,5.05) v3(8.31,67.98) v3(8.55,63.7) v3(8.63,16.96) v3(8.79,37.9) v3(9.37,16.14) v3(10.09,51.43) v3(10.14,28.08) v3(10.17,58.1) v3(10.19,43.28) v3(10.39,16.06) v3(12.01,67.92) v3(12,39.88) v3(12.06,43.67) v3(12.15,3.35) v3(12.27,50.78) v3(13.45,23.42) v3(13.63,49.25) v3(13.58,45.27) v3(13.58,3.4) v3(13.69,19.27) v3(14.15,24.56) v3(14.53,27.66) v3(14.49,4.32) v3(14.58,18.3) v3(14.61,16.89) v3(14.7,30.46) v3(14.7,8.8) v3(14.78,67.69) v3(15.32,21.58) v3(15.32,3.3) v3(16.81,63.35) v3(16.88,17.87) v3(16.96,19.06) v3(17.37,27.05) v3(17.55,57.51) v3(17.5,10.2) v3(17.61,42.5) v3(17.55,41.43) v3(17.61,17.88) v3(18.38,12.06) v3(18.38,10.74) v3(19.05,63.7) v3(19.08,59.72) v3(19.08,54.82) v3(19.19,44.52) v3(21.07,59.7) v3(21.12,54.75) v3(22.3,63.7) v3(22.4,38.11) v3(22.8,65.45) v3(23.01,54.73) v3(23.18,59.7) v3(24.3,65.45) v3(24.5,61.64) v3(25.1,49.85) v3(28.45,39.7) v3(30.45,62.45) v3(31.51,53.54) v3(31.5,39.9) v3(31.66,65.76) v3(31.81,59.78) v3(32.45,39.9) v3(33.05,65.45) v3(33.67,44.59) v3(33.85,67.7) v3(34.81,42.69) v3(36.15,42.5) v3(36.39,63.75) v3(36.4,37.7) v3(37.08,44.3) v3(37.1,43.42) v3(38.6,63.7) v3(38.8,42) v3(40.11,38.48) v3(42.15,4.25) v3(43.22,65.58) v3(43.16,38.48) v3(43.36,53.42) v3(43.36,50.49) v3(43.64,66.66) v3(44.56,6.44) v3(44.88,53.41) v3(45.14,49.35) v3(47.05,64.96) v3(47.1,61.75) v3(47.3,7.2) v3(47.55,28) v3(47.55,25.45) v3(47.51,15.02) v3(47.57,19.5) v3(47.6,10.25)
VBUS: length 29.2
  Top w0.203: U3.31 13.05,17.34 13.12,17.41
  In2.Cu w0.508: v4(13.14,18.07) 12.54,18.67 9.91,18.67 6.4,22.18 6.4,24.54 2.85,28.09 2.85,37.45 3.85,38.45 J10.1
VCC-DRAM: length 149.3
  Top w0.09: 30,17.14 v2(29.99,17.16) ; 27.58,6.46 C53.1 27.45,6.51 ; v2(28.8,15.24) 28.41,15.63 U12.H2
  Top w0.15: 27.88,25.82 27.88,25.98 v2(27.98,26.08) ; 27.88,25.82 27.88,26.01 U11.P16 27.64,26.25 ; 27.88,25.82 U11.P17 ; v2(22.3,9.28) 22.8,9.78 U12.R9 ; v2(24.55,17.2) 24.3,16.95 24.3,16.54 U12.N1 ; U12.D2 31.6,15.35 32.04,14.91 32.04,14.38 v2(32.2,14.22) ; U12.A8 34.01,10.83 v2(34.6,10.83) ; U12.R1 22.8,16.2 23.17,15.83 23.17,14.24 v2(22.88,13.95) ; U12.K8 27.17,10.47 27.17,9.59 v2(27.45,9.31) ; U12.G7 29.48,11.91 v2(29.48,12.12) ; v2(32.67,17.26) 32.4,16.99 U12.C1 ; U12.F1 29.99,16.45 v2(29.99,17.16) ; v2(34.15,16.97) 34,16.83 U12.A1 U12.B2 ; U11.R16 27.01,26.25 ; 26.98,26.89 v2(26.99,26.88) 27,26.87 ; U12.N9 24.4,9.23 v2(24.62,9) ; 30.81,10.03 U12.E9
  Top w0.203: v2(12.42,29.77) 12.42,30.54 R45.2 ; U12.K2 27.21,15.23 28,15.23 U12.H2 ; U12.A8 33.59,10.42 32.79,10.42 U12.C9 ; C65.1 8.48,27.34
  Top w0.254: v2(22.3,9.28) 21.63,9.28 20.25,7.9 19.68,7.9 R36.1 19.02,7.19 C47.1 ; C53.1 C48.1 C51.1 C58.1 C54.1 C46.1 C49.1 33.24,6.39 C50.1 34.25,6.4 C52.1 C57.1 C56.1 ; U11.T15 U11.R16 27,26.87 ; U11.T15 U11.T14 U11.T13 U11.T12 U11.U11 v2(25.7,29.95) ; U11.T15 26.98,26.89 ; 27.01,26.25 27.64,26.25 ; U11.P16 U11.N16 U11.M16 U11.L16 ; U12.C9 U12.D9 U12.E9
  Top w0.381: C65.1 8.48,27.03 v2(8.73,26.78) ; v2(24.62,9) 23.89,8.27 C55.1 ; C59.1 C62.1 23.89,6.4 23.89,7.47 ; C51.1 29.41,8.62 28.75,9.28 v2(28.71,9.28) 28.4,9.58 U12.H9 ; C54.1 31.23,8.96 v2(30.81,9.39) 30.8,9.39 U12.E9
  Top w0.508: L2.2 7.06,27.46 C65.1
  In2.Cu w0.381: 11.19,26.78 11.64,26.33 19.85,26.33 23.43,29.91 25.66,29.91 v2(25.7,29.95) ; 11.19,26.78 v2(8.73,26.78) ; 11.19,26.78 11.19,28.55 v2(12.42,29.77)
  In4.Cu w0.381: v2(32.67,17.26) 32.67,16.47 33.34,15.8 33.34,14.09 32.96,13.71 32.52,13.71 32.2,14.04 v2(32.2,14.22) ; v2(29.48,12.12) 28.71,11.34 v2(28.71,9.28) ; v2(22.88,13.95) 22.19,13.26 22.19,10.96 21.9,10.67 21.9,9.68 v2(22.3,9.28) 22.69,8.89 24.51,8.89 v2(24.62,9) ; v2(32.2,14.22) 32.2,12.55 33.92,10.83 v2(34.6,10.83) ; v2(32.2,14.22) 32.2,14.95 v2(29.99,17.16) 29.99,17.16 29.4,16.57 29.4,15.8 28.84,15.24 v2(28.8,15.24) ; v2(28.71,9.28) 30.7,9.28 v2(30.81,9.39) 31.7,9.39 33.14,10.83 v2(34.6,10.83) ; v2(28.71,9.28) 28.68,9.31 v2(27.45,9.31) ; v2(34.6,10.83) 34,11.43 34,12.36 34.13,12.48 34.13,16.95 v2(34.15,16.97)
  Bottom w0.381: v2(22.88,13.95) 22.96,14.03 22.96,15.61 v2(24.55,17.2) ; v2(29.99,17.16) 29.76,17.39 29.76,24.5 29.84,24.58 29.84,26.05 C61.1 29.67,26.23 29.18,26.23 29.17,26.24 28.13,26.24 v2(27.98,26.08) 27.95,26.08 C60.1 27.38,26.49 v2(26.99,26.88) 26.7,27.17 26.7,28.95 v2(25.7,29.95) ; v2(24.62,9) 25.86,7.76 28.21,7.76 28.7,8.25 28.7,9.27 v2(28.71,9.28)
